# Altium PCB 2m_DBoard_TX.PcbDoc (part 3 of 5)
Units mm, origin at the board's own origin, x right, y up, seen from the top; angles counter-clockwise.
Board outline 63.5 x 139.7 mm, 12 copper layers (Top RF, AGND, Inner RF, AGND 2, AVDD, AVDD 2, DVDD 2, DVDD, GND 2, Signal, GND, Bottom Layer), stack 2.626 mm thick; 263 components, 212 nets, 1246 pads, 1554 vias.
Unrouted connection lines stored in the file: 414.
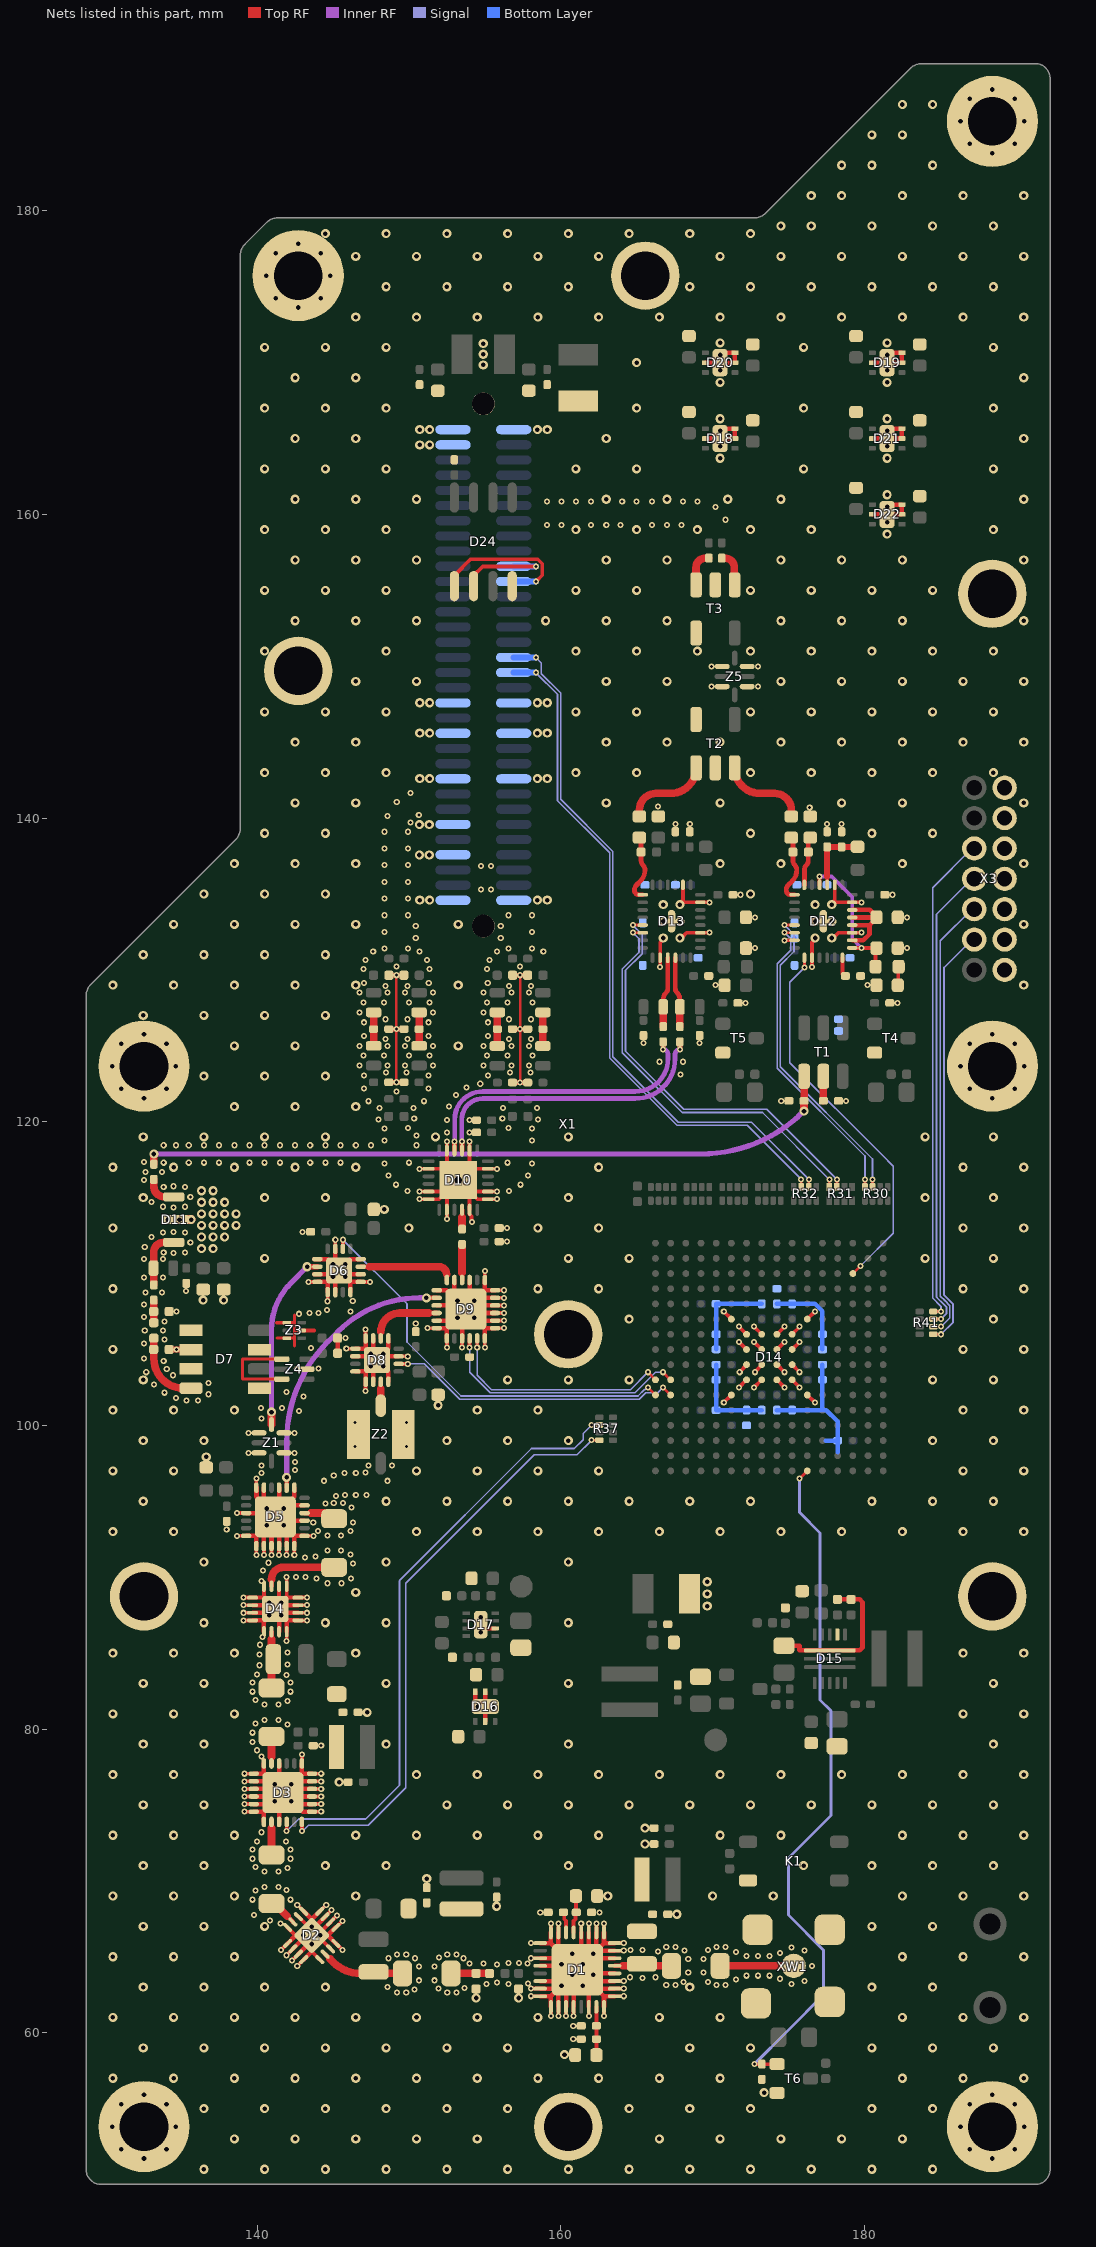
[diagram p13: the nets of this part, all layers, seen from the top]

## Via types
v1: diameter 0.6, hole 0.3, Top RF to Bottom Layer, tented both sides, 809 vias
v2: diameter 0.4, hole 0.2, Top RF to Bottom Layer, tented both sides, 741 vias
v3: diameter 0.5, hole 0.2, Top RF to Bottom Layer, tented both sides, 4 vias

## Nets (pads, with @x,y where several pads share a name; then routed paths per layer and width w, separated by ;. In a path a pad name is that pad's centre, name@x,y a point inside that pad or via, vN(x,y) a via of type N, cw(c..) or ccw(c..) an arc to the next point about the centre after c; other vN are vias at no path point) (continued)
GND: C2.2 C3.1 C4.1 C5.1 C6.2 C7.1 C8.1 C9.1 C10.2 C12.1 C13.1 C16.1 C17.1 C18.1 C20.2 C21.2 C22.2 C23.2 C25.1 C26.1 C27.1 C28.1 C30.2 C31.1 C32.2 C33.1 C36.2 C37.1 C38.2 C39.1 C46.1 C47.1 C48.2 C50.1 C51.2 C52.2 C53.1 C54.1 C55.2 C56.1 C57.1 C58.2 C59.1 C60.1 C61.1 C62.1 C63.1 C64.1 C65.1 C68.1 C69.2 C70.1 C71.1 C72.1 C73.1 C74.2 C75.1 C76.1 C77.1 C78.1 C79.1 C80.1 C81.1 C82.2 C83.2 C84.2 C85.2 C86.2 C87.1 C88.1 C89.1 C90.1 C91.1 C92.1 C93.1 C94.1 C95.1 C96.1 C97.1 C98.1 C99.1 C100.1 C101.1 C102.1 C103.1 C104.1 C105.1 C106.1 C107.1 C109.2 C110.2 C111.1 C113.1 C114.1 C115.1 C118.1 C119.1 C120.2 C121.2 C122.2 C123.2 C124.2 C125.2 C126.2 C127.2 C129.2 C130.2 C131.2 C132.2 C133.2 C134.2 C135.2 C136.2 C137.2 C138.1 C139.1 C191.1 D1.0 D1.1 D1.3 D1.4 D1.6 D1.7 D1.8 D1.9 D1.10 D1.11 D1.12 D1.14 D1.16 D1.17 D1.18 D1.19 D1.20 D1.22 D1.23 D1.24 D1.25 D1.26 D1.27 D1.28 D1.31 D1.32 D2.1 D2.2 D2.4 D2.5 D2.6 D2.7 D2.8 D2.9 D2.11 D2.12 D2.13 D2.14 D2.15 D2.16 D2.17 D3.1 D3.4 D3.6 D3.7 D3.8 D3.9 D3.10 D3.11 D3.12 D3.13 D3.15 D3.19 D3.20 D3.21 D3.22 D3.23 D3.24 D3.25 D4.1 D4.2 D4.4 D4.5 D4.6 D4.7 D4.8 D4.9 D4.11 D4.12 D4.13 D4.14 D4.15 D4.16 D4.17 D5.1 D5.3 D5.5 D5.6 D5.9 D5.12 D5.13 D5.14 D5.15 D5.16 D5.17 D5.18 D5.19 D5.21 D5.23 D5.25 D6.1 D6.3 D6.4 D6.5 D6.6 D6.8 D6.9 D6.10 D6.12 D6.15 D6.17 D7.1 D8.1 D8.3 D8.4 D8.5 D8.6 D8.8 D8.9 D8.10 D8.12 D8.15 D8.17 D9.1 D9.3 D9.5 D9.6 D9.7 D9.9 D9.12 D9.13 D9.14 D9.15 D9.16 D9.17 D9.18 D9.19 D9.21 D9.23 D9.25 D10.2 D10.5 D10.8 D10.11 D10.12 D10.14 D10.17 D10.19 D10.20 D10.23 D10.25 D11.2 D12.10 D12.17 D12.21 D12.24 D12.29 D13.10 D13.17 D13.21 D13.24 D13.29 D14.F6 D14.F11 D14.G7 D14.G8 D14.G9 D14.G10 D14.H7 D14.H8 D14.H9 D14.H10 D14.J7 D14.J8 D14.J9 D14.J10 D14.K7 D14.K8 D14.K9 D14.K10 D14.L6 D14.L11 D15.2 D15.6 D16.0 D16.2 D16.3 D16.5 D17.0 D17.2 D18.0 D18.2 D18.3 D18.5 D19.0 D19.2 D19.3 D19.5 D20.0 D20.2 D20.3 D20.5 D21.0 D21.2 D21.3 D21.5 D22.0 D22.2 D22.3 D22.5 D24.4 K1.2 M1.0 M2.0 M3.0 M4.0 M5.0 M6.0 M7.0 R1.2 R3.2 R7.2 R9.2 R11.2 R13.1 R14.1 R16.2 R17.1 R19.2 R20.1 R21.2 R23.2 R42.1 R43.1 R47.1 R49.1 R51.2 T2.2 T2.4 T3.2 T3.6 T4.2 T5.2 T6.2 X1.0 X1.1 X1.2 X1.3 X1.37 X1.38 X1.41 X1.42 X1.47 X1.48 X1.53 X1.57 X1.63 X1.64 X3.1 X3.3 X3.5 X3.7 X3.9 X3.11 X3.13 XW1.G Z1.GND Z2.GND Z3.1 Z3.3 Z3.5 Z4.1 Z4.3 Z4.5 Z5.GND | length 395.1
  Top RF w0.15: D5.3@141.426,95.924 D5.3@141.45,95.9 ; v2(149.175,122.6) v2(149.175,126.1) v2(149.175,129.65) ; v2(157.325,122.575) 157.325,122.581 v2(157.325,126.1) v2(157.325,129.65)
  Top RF w0.2: 141.265,106.76 Z3.1@141.965,106.76 142.455,106.76 ; 141.3,105.74 Z3.3@141.965,105.74 142.455,105.74 ; Z4.3@141.625,103.04 139.035,103.04 139.035,104.36 Z4.1@141.625,104.36 ; 142.455,105.235 142.455,105.74 ; 142.455,106.892 142.455,106.76 ; 142.455,107.26 142.455,106.76 ; D9.21@154,109.575 D9.21@154,109.725 ; 142.455,105.74 142.455,106.76
  Top RF w0.25: v2(138.675,92.725) D5.12@139.275,92.725 ; v2(138.675,94.225) D5.9@139.275,94.225 ; v2(139.1,87.155) D4.8@139.7,87.155 ; v2(139.1,87.655) D4.7@139.7,87.655 ; v2(139.1,88.155) D4.6@139.7,88.155 ; v2(139.1,88.655) D4.5@139.7,88.655 140.337,88.655 140.687,88.305 v1(140.8,88.305) 140.8,88.418 140.45,88.768 D4.4@140.45,89.405 ; v2(139.175,74.555) D3.12@139.775,74.555 ; v2(139.175,75.055) D3.11@139.775,75.055 ; v2(139.175,75.555) D3.10@139.775,75.555 ; v2(139.175,76.055) D3.9@139.775,76.055 ; v2(139.175,76.555) D3.8@139.775,76.555 ; v2(139.175,77.055) D3.7@139.775,77.055 ; 139.881,92.725 141.131,93.975 D5.25@141.2,93.975 ; v2(139.95,91.45) D5.13@139.95,92.05 ; 139.95,92.656 140.45,93.156 140.95,93.656 D5.25@141.2,93.906 ; D5.6@139.95,95.9 v2(139.95,96.5) ; 140.337,87.155 140.687,87.505 v1(140.8,87.505) 140.8,87.392 140.45,87.042 ; 140.381,74.555 140.881,75.055 141.081,75.255 v1(141.15,75.255) 141.15,75.187 140.45,74.487 ; 140.381,77.055 140.881,76.555 141.081,76.355 v1(141.15,76.355) 141.15,76.424 140.45,77.124 ; v2(140.45,91.45) D5.14@140.45,92.05 ; D5.25@140.45,94.794 D5.25@141.2,94.044 ; v2(140.95,91.45) D5.15@140.95,92.05 ; D4.2@141.45,89.405 D4.17@141.45,88.268 ; v2(141.45,91.45) D5.16@141.45,92.05 ; D5.25@141.45,94.294 D5.25@141.2,94.044 ; v2(141.585,65.451) D2.5@142.009,65.875 ; v2(141.938,65.097) D2.6@142.363,65.521 ; v2(141.95,85.805) D4.12@141.95,86.405 ; 141.95,87.042 141.45,87.542 141.2,87.792 D4.17@141.2,87.905 ; v2(141.95,90.005) D4.1@141.95,89.405 141.95,88.768 D4.17@141.45,88.268 ; v2(141.95,91.45) D5.17@141.95,92.05 ; D2.4@142.009,66.936 142.539,66.405 143.246,66.405 D2.17@143.6,66.405 ; 142.063,87.155 D4.17@141.563,87.655 ; v2(142.292,64.744) D2.7@142.716,65.168 ; v2(142.45,91.45) D5.18@142.45,92.05 ; 142.45,92.656 141.95,93.156 141.45,93.656 D5.25@141.2,93.906 ; 142.495,106.25 Z3.5@142.935,106.25 143.77,106.25 ; 142.519,92.725 141.519,93.725 141.269,93.975 D5.25@141.2,93.975 ; v2(142.645,64.39) D2.8@143.07,64.814 ; v2(142.645,68.421) D2.1@143.07,67.996 ; D4.13@142.7,87.155 v2(143.3,87.155) ; D4.14@142.7,87.655 v2(143.3,87.655) ; D4.15@142.7,88.155 v2(143.3,88.155) ; D2.2@142.716,67.643 D2.17@143.6,66.759 ; 142.95,77.124 141.7,75.874 D3.25@141.7,75.805 D3.25@141.769,75.805 ; D3.1@142.95,77.73 v2(142.95,78.33) ; 143.019,74.555 142.519,75.055 142.019,75.555 D3.25@141.769,75.805 ; 143.019,77.055 142.519,76.555 142.019,76.055 D3.25@141.769,75.805 ; D5.19@143.125,92.725 v2(143.725,92.725) ; v2(143.3,88.655) D4.16@142.7,88.655 142.063,88.655 D4.17@141.563,88.155 ; v2(143.375,109.45) D6.4@143.975,109.45 ; D2.17@143.6,67.466 D2.17@143.6,66.759 ; D3.19@143.625,74.555 v2@144.225,74.555 ; D3.20@143.625,75.055 v2@144.225,75.055 ; D3.21@143.625,75.555 v2@144.225,75.555 ; D3.22@143.625,76.055 v2@144.225,76.055 ; D3.23@143.625,76.555 v2@144.225,76.555 ; D3.24@143.625,77.055 v2@144.225,77.055 ; D2.9@144.13,64.814 143.6,65.345 143.6,66.052 D2.17@143.6,66.405 ; D2.16@144.13,67.996 v2(144.555,68.421) ; D2.15@144.484,67.643 v2(144.908,68.067) ; v2(144.65,108.175) D6.5@144.65,108.775 ; D6.17@144.65,109.45 v1(145,109.8) 145.15,109.95 D6.17@145.4,110.2 ; D6.17@144.65,110.95 145.15,110.45 D6.17@145.4,110.2 ; D2.17@144.661,66.405 D2.17@143.954,66.405 ; D2.11@144.837,65.521 D2.17@143.954,66.405 ; D2.14@144.837,67.289 v2(145.262,67.713) ; D6.15@145.15,111.625 v2(145.15,112.225) ; D2.12@145.191,65.875 v2(145.615,65.451) ; D2.13@145.191,66.936 v2(145.615,67.36) ; v2(145.875,105.05) D8.5@146.475,105.05 ; D6.17@146.15,109.45 v1(145.8,109.8) 145.65,109.95 D6.17@145.4,110.2 ; D6.17@146.15,110.95 v1(145.8,110.6) D6.17@145.4,110.2 ; D6.9@146.825,109.45 v2(147.425,109.45) ; v2(147.15,102.275) D8.9@147.15,102.875 ; D8.17@147.15,103.55 v1(147.5,103.9) 147.65,104.05 D8.17@147.9,104.3 ; D8.17@147.15,105.05 v1(147.5,104.7) 147.65,104.55 D8.17@147.9,104.3 ; D8.4@147.15,105.725 v2(147.15,106.325) ; D8.17@148.65,103.55 v1(148.3,103.9) D8.17@147.9,104.3 ; D8.17@148.65,105.05 v1(148.3,104.7) 148.15,104.55 D8.17@147.9,104.3 ; D8.15@149.325,104.55 v2(149.925,104.55) ; v2(150.7,114.9) D10.12@151.3,114.9 152,114.9 D10.25@152.5,115.4 ; v2(150.7,115.4) D10.11@151.3,115.4 D10.25@152.5,115.4 ; v2(150.7,116.9) D10.8@151.3,116.9 D10.25@152.5,116.9 ; v2(151.225,106.4) D9.6@151.825,106.4 ; v2(152.5,105.125) D9.7@152.5,105.725 ; D9.25@152.5,106.4 153,106.9 v1(153.2,107.1) 153.5,107.4 D9.25@153.75,107.65 ; D9.25@152.5,108.9 153,108.4 v1(153.2,108.2) 153.5,107.9 D9.25@153.75,107.65 ; v2(152.5,113.6) D10.14@152.5,114.2 D10.25@152.5,115.4 ; v2(152.5,118.7) D10.5@152.5,118.1 D10.25@152.5,116.9 ; v2(153.5,105.125) D9.9@153.5,105.725 ; D10.17@154,113.9 154.125,113.775 154.125,113.425 v2(154.15,113.4) ; D10.17@154,114.2 D10.25@154,115.4 ; v2(154,118.7) D10.2@154,118.1 D10.25@154,116.9 ; v1(154.725,86.375) 154.975,86.625 D17.2@155.675,86.625 ; v2(155,105.125) D9.12@155,105.725 ; D9.25@155,106.4 154.5,106.9 v1(154.3,107.1) 154,107.4 D9.25@153.75,107.65 ; D9.25@155,108.9 154.5,108.4 v1(154.3,108.2) 154,107.9 D9.25@153.75,107.65 ; D9.19@155,109.575 v2(155,110.175) ; D9.13@155.675,106.4 v2(156.275,106.4) ; D9.14@155.675,106.9 v2(156.275,106.9) ; D9.15@155.675,107.4 v2(156.275,107.4) ; D9.16@155.675,107.9 v2(156.275,107.9) ; D9.17@155.675,108.4 v2(156.275,108.4) ; D9.18@155.675,108.9 v2(156.275,108.9) ; v2(155.8,114.9) D10.19@155.2,114.9 154.5,114.9 D10.25@154,115.4 ; v2(155.8,115.4) D10.20@155.2,115.4 D10.25@154,115.4 ; v2(155.8,116.9) D10.23@155.2,116.9 D10.25@154,116.9 ; v2(158.05,62.4) D1.8@158.65,62.4 ; v2(158.05,62.9) D1.7@158.65,62.9 ; v2(158.05,64.9) D1.3@158.65,64.9 ; v2(159.35,61.1) D1.9@159.35,61.7 ; D1.32@159.35,66.6 v2(159.35,67.2) ; v2(159.85,61.1) D1.10@159.85,61.7 ; D1.0@159.85,62.9 v1(160.05,63.1) ; D1.0@159.85,65.4 160.35,64.9 160.85,64.4 D1.0@161.1,64.15 ; D1.31@159.85,66.6 v2(159.85,67.2) ; D1.0@160.024,63.126 v1(160.05,63.1) ; D1.0@160.076,63.074 v1(160.05,63.1) ; v2(160.35,61.1) D1.11@160.35,61.7 ; v2(160.85,61.1) D1.12@160.85,61.7 ; D1.28@161.35,66.6 v2(161.35,67.2) ; v2(161.85,61.1) D1.14@161.85,61.7 ; D1.27@161.85,66.6 v2(161.85,67.2) ; D1.0@162.35,62.9 161.85,63.4 161.35,63.9 D1.0@161.1,64.15 ; D1.0@162.35,65.4 161.85,64.9 v1(161.45,64.5) 161.35,64.4 D1.0@161.1,64.15 ; D1.26@162.35,66.6 v2(162.35,67.2) ; v2(162.85,61.1) D1.16@162.85,61.7 ; D1.25@162.85,66.6 v2(162.85,67.2) ; D1.17@163.55,62.4 v2(164.15,62.4) ; D1.18@163.55,62.9 v2(164.15,62.9) ; D1.19@163.55,63.4 v2(164.15,63.4) ; D1.23@163.55,65.4 v2(164.15,65.4) ; D1.24@163.55,65.9 v2(164.15,65.9) ; v2(166.55,130.2) D13.10@166.55,130.8 166.55,131.805 166.75,132.005 v1(166.75,132.1) ; v1(167.85,132.1) 167.945,132.1 168.295,132.45 D13.17@169.2,132.45 v2(169.8,132.45) ; D13.24@168.05,135.6 168.05,134.595 167.85,134.395 v1(167.85,134.3) 167.945,134.3 168.095,134.45 D13.21@169.2,134.45 v2(169.8,134.45) ; v2(170.74,101.5) D14.F6@171.24,102 ; v2(170.74,107.5) D14.F11@171.24,107 ; v2(171.74,102.5) D14.G7@172.24,103 ; v2(171.74,105.5) D14.G9@172.24,105 ; v2(171.74,106.5) D14.G10@172.24,106 ; v2@171.79,103.525 D14.G8@172.24,103.975 ; v2(172.74,102.5) D14.H7@173.24,103 ; v2(172.74,105.5) D14.H9@173.24,105 ; v2(172.74,106.5) D14.H10@173.24,106 ; v2@172.79,103.525 D14.H8@173.24,103.975 ; XW1.G@172.865,61.925 XW1.G@172.915,61.975 ; D14.J7@174.24,103 v2(174.74,102.5) ; D14.J8@174.24,104 v2(174.74,103.5) ; D14.J9@174.24,105 v2(174.74,105.5) ; D14.J10@174.24,106 v2(174.74,106.5) ; D14.K7@175.24,103 v2(175.74,102.5) ; D14.K8@175.24,104 v2(175.74,103.5) ; D14.K9@175.24,105 v2(175.74,105.5) ; D14.K10@175.24,106 v2(175.74,106.5) ; D14.L6@176.24,102 v2(176.74,101.5) ; D14.L11@176.24,107 v2(176.74,107.5) ; v2(176.55,130.2) D12.10@176.55,130.8 176.55,131.805 176.75,132.005 v1(176.75,132.1) ; XW1.G@177.665,61.975 XW1.G@177.715,62.025 ; v1(177.85,132.1) 177.945,132.1 178.295,132.45 D12.17@179.2,132.45 v2(179.8,132.45) ; D12.24@178.05,135.6 178.05,134.595 177.85,134.395 v1(177.85,134.3) 177.945,134.3 178.095,134.45 D12.21@179.2,134.45 v2(179.8,134.45) ; D4.17@141.2,87.905 141.2,88.018 D4.17@141.45,88.268 ; D4.17@141.2,87.905 141.45,87.655 D4.17@141.563,87.655 ; D4.17@141.2,87.905 D4.17@141.313,87.905 ; D4.17@141.2,87.905 D4.17@141.45,88.155 ; D5.25@141.2,93.906 D5.25@141.2,93.975 ; D5.25@141.2,93.975 D5.25@141.2,94.044 ; D4.17@141.313,87.905 D4.17@141.563,87.655 ; D4.17@141.313,87.905 D4.17@141.563,88.155 ; D4.17@141.45,88.155 D4.17@141.45,88.268 ; D4.17@141.45,88.155 D4.17@141.563,88.155 ; D2.17@143.6,66.405 D2.17@143.6,66.759 ; D2.17@143.6,66.405 D2.17@143.954,66.405 ; D10.25@152.5,115.4 D10.25@153.25,116.15 ; D10.25@152.5,116.9 D10.25@153.25,116.15 ; D10.25@153.25,116.15 D10.25@154,115.4 ; D10.25@153.25,116.15 D10.25@154,116.9 ; v1(160.05,63.1) 160.35,63.4 v1(160.75,63.8) 160.85,63.9 D1.0@161.1,64.15
  Top RF w0.3: D5.12@139.275,92.725 139.881,92.725 ; D5.9@139.275,94.225 D5.25@140.95,94.225 ; D4.8@139.7,87.155 140.337,87.155 ; D4.7@139.7,87.655 140.649,87.656 v1(140.8,87.505) ; D4.6@139.7,88.155 140.651,88.156 v1(140.8,88.305) ; D3.12@139.775,74.555 140.381,74.555 ; D3.11@139.775,75.055 140.881,75.055 140.95,75.055 v1(141.15,75.255) ; D3.10@139.775,75.555 140.85,75.555 v1(141.15,75.255) ; D3.9@139.775,76.055 140.85,76.055 v1(141.15,76.355) ; D3.8@139.775,76.555 140.881,76.555 140.95,76.555 v1(141.15,76.355) ; D3.7@139.775,77.055 140.381,77.055 ; D5.13@139.95,92.05 139.95,92.656 ; D3.13@140.45,73.88 140.45,74.487 ; 140.45,77.124 D3.6@140.45,77.73 ; D4.9@140.45,86.405 140.45,87.042 ; D5.14@140.45,92.05 D5.25@140.45,93.101 ; D5.5@140.45,95.9 140.45,94.794 140.45,94.725 v1(140.65,94.525) D5.25@140.95,94.225 ; D5.25@140.916,93.975 D5.25@141.131,93.975 ; D5.15@140.95,92.05 D5.25@140.95,93.601 ; D5.25@141.2,93.906 141.2,93.851 D5.25@140.95,93.601 ; D3.15@141.45,73.88 141.45,74.955 v1(141.15,75.255) ; D3.4@141.45,77.73 141.45,76.655 v1(141.15,76.355) ; D4.11@141.45,86.405 141.45,87.542 D4.17@141.45,87.655 ; D5.16@141.45,92.05 141.45,93.656 D5.25@141.45,93.725 ; D5.3@141.45,95.9 D5.25@141.45,94.294 ; D4.17@141.563,87.655 D4.14@142.7,87.655 ; D4.17@141.563,88.155 D4.15@142.7,88.155 ; D4.12@141.95,86.405 141.95,87.042 ; D5.17@141.95,92.05 141.95,93.156 141.95,93.225 v1(141.75,93.425) D5.25@141.45,93.725 ; D2.5@142.009,65.875 D2.17@142.539,66.405 ; 142.063,87.155 D4.13@142.7,87.155 ; D2.6@142.363,65.521 D2.17@143.246,66.405 ; D5.18@142.45,92.05 142.45,92.656 ; D5.1@142.45,95.9 142.45,95.294 D5.25@141.45,94.294 ; 142.519,92.725 D5.19@143.125,92.725 ; D2.7@142.716,65.168 D2.17@143.6,66.052 ; 142.95,77.124 D3.1@142.95,77.73 ; 143.019,74.555 D3.19@143.625,74.555 ; 143.019,77.055 D3.24@143.625,77.055 ; D2.8@143.07,64.814 D2.17@143.6,65.345 ; D2.1@143.07,67.996 143.6,67.466 D2.16@144.13,67.996 ; D5.21@143.125,93.725 141.519,93.725 D5.25@141.45,93.725 ; D5.23@143.125,94.725 141.95,94.725 v1(141.75,94.525) D5.25@141.45,94.225 ; D2.17@143.6,66.759 D2.15@144.484,67.643 ; D3.20@143.625,75.055 142.519,75.055 142.45,75.055 v1(142.25,75.255) D3.25@141.95,75.555 ; D3.21@143.625,75.555 142.019,75.555 D3.25@141.95,75.555 ; D3.22@143.625,76.055 142.019,76.055 D3.25@141.95,76.055 ; D3.23@143.625,76.555 142.519,76.555 142.45,76.555 v1(142.25,76.355) D3.25@141.95,76.055 ; D6.3@143.775,109.95 D6.3@143.975,109.95 145.15,109.95 D6.6@145.15,108.775 ; D6.1@143.775,110.95 D6.1@143.975,110.95 D6.17@144.65,110.95 ; D2.17@143.954,66.405 D2.14@144.837,67.289 ; D6.4@143.975,109.45 144.65,109.45 D6.5@144.65,108.775 ; D6.17@145.15,110.45 D6.15@145.15,111.625 ; D2.12@145.191,65.875 144.661,66.405 D2.13@145.191,66.936 ; R13.1@145.3,105.75 145.3,104.758 R14.1@145.354,104.704 ; D6.17@145.65,109.95 D6.10@146.825,109.95 ; D6.8@146.15,108.775 146.15,109.45 D6.9@146.825,109.45 ; D6.17@146.15,110.95 D6.12@146.825,110.95 ; D8.6@146.275,104.55 D8.6@146.475,104.55 147.35,104.55 v1(147.5,104.7) ; D8.8@146.475,103.55 147.15,103.55 D8.9@147.15,102.875 ; D8.5@146.475,105.05 147.15,105.05 D8.4@147.15,105.725 ; D8.17@147.5,104.55 147.65,104.55 D8.3@147.65,105.725 ; D8.10@147.65,102.875 D8.17@147.65,104.05 ; D8.17@148.15,104.55 D8.15@149.325,104.55 ; D8.12@148.65,102.875 D8.17@148.65,103.55 ; D8.17@148.65,105.05 D8.1@148.65,105.725 ; C30.2@148.675,122.6 v2(149.175,122.6) C31.1@149.675,122.6 ; C32.2@148.675,126.1 v2(149.175,126.1) C33.1@149.675,126.1 ; R16.2@148.683,129.65 v2(149.175,129.65) R17.1@149.667,129.65 ; D9.6@151.825,106.4 152.5,106.4 D9.7@152.5,105.725 ; D9.5@151.825,106.9 D9.25@153,106.9 ; D9.3@151.825,107.9 D9.25@153.5,107.9 ; D9.1@151.825,108.9 D9.25@152.5,108.9 ; D9.25@153,108.4 D9.23@153,109.575 ; D9.9@153.5,105.725 D9.25@153.5,107.4 ; D9.25@154,107.4 D9.15@155.675,107.4 ; D9.21@154,109.575 154,107.9 D9.16@155.675,107.9 ; D16.3@154.375,82.45 154.375,81.817 154.717,81.475 D16.0@155.025,81.475 ; D9.25@154.5,106.9 D9.14@155.675,106.9 ; D9.25@154.5,108.4 D9.17@155.675,108.4 ; D9.12@155,105.725 155,106.4 D9.13@155.675,106.4 ; D9.19@155,109.575 155,108.9 D9.18@155.675,108.9 ; D16.5@155.025,80.5 D16.0@155.025,81.475 ; D16.2@155.025,82.45 D16.0@155.025,81.475 ; C37.1@156.825,122.581 157.325,122.581 C36.2@157.825,122.581 ; C39.1@156.825,126.1 v2(157.325,126.1) C38.2@157.825,126.1 ; R20.1@156.833,129.65 R19.2@157.817,129.65 ; D1.8@158.65,62.4 159.35,62.4 ; D1.7@158.65,62.9 D1.0@159.85,62.9 ; D1.6@158.65,63.4 160.35,63.4 D1.11@160.35,61.7 ; D1.4@158.65,64.4 D1.0@160.85,64.4 ; D1.3@158.65,64.9 D1.0@160.35,64.9 ; D1.1@158.65,65.9 159.35,65.9 ; D1.9@159.35,61.7 159.35,62.4 ; D1.32@159.35,66.6 159.35,65.9 ; D1.10@159.85,61.7 D1.0@159.85,62.9 ; D1.31@159.85,66.6 159.85,65.4 159.35,65.9 ; D1.12@160.85,61.7 D1.0@160.85,63.9 ; D1.0@161.35,63.9 D1.20@163.55,63.9 ; D1.0@161.35,64.4 D1.28@161.35,66.6 ; v1(161.45,63.1) D1.0@161.548,63.1 ; D1.14@161.85,61.7 161.85,63.4 D1.19@163.55,63.4 ; D1.27@161.85,66.6 161.85,64.9 D1.22@163.55,64.9 ; D1.26@162.35,66.6 D1.0@162.35,65.4 ; D1.16@162.85,61.7 162.85,62.4 ; D1.25@162.85,66.6 162.85,65.9 ; D1.17@163.55,62.4 162.85,62.4 ; D1.18@163.55,62.9 162.35,62.9 162.85,62.4 ; D1.23@163.55,65.4 D1.0@162.35,65.4 ; D1.24@163.55,65.9 162.85,65.9 ; D18.5@169.525,165 D18.0@170.5,165 D18.2@171.475,165 D18.3@171.475,165.65 170.65,165.65 v1(170.5,165.5) ; D20.5@169.525,170 D20.0@170.5,170 D20.2@171.475,170 D20.3@171.475,170.65 170.65,170.65 v1(170.5,170.5) ; C111.1@174.702,85.491 ccw(c174.736,85.525) 174.736,85.477 175.727,85.477 175.727,85.177 179.701,85.177 179.877,85.353 179.877,88.359 179.701,88.535 R43.1@178.227,88.535 ; D22.5@180.525,160 D22.0@181.5,160 D22.2@182.475,160 D22.3@182.475,160.65 181.65,160.65 v1(181.5,160.5) ; D21.5@180.525,165 D21.0@181.5,165 D21.2@182.475,165 D21.3@182.475,165.65 181.65,165.65 v1(181.5,165.5) ; D19.5@180.525,170 D19.0@181.5,170 D19.2@182.475,170 D19.3@182.475,170.65 181.65,170.65 v1(181.5,170.5) ; D5.25@140.45,93.101 D5.25@140.95,93.601 ; D5.25@140.45,93.101 140.45,93.156 140.45,93.225 v1(140.65,93.425) D5.25@140.95,93.725 ; D5.25@140.95,93.601 140.95,93.656 D5.25@140.95,93.725 ; D5.25@140.95,93.725 D5.25@141.2,93.975 ; D5.25@140.95,94.225 D5.25@141.2,93.975 ; D5.25@141.2,93.975 D5.25@141.45,94.225 ; D5.25@141.2,93.975 D5.25@141.45,93.725 ; D5.25@141.45,94.225 D5.25@141.45,94.294 ; D3.25@141.95,75.555 D3.25@141.7,75.805 D3.25@141.95,76.055 ; 159.35,62.4 D1.0@159.85,62.9 ; D1.0@162.35,65.4 162.85,65.9
  Top RF w0.32: D5.6@139.95,95.9 139.95,95.294 D5.25@140.45,94.794
  Top RF w0.4: R23.2@134.208,105 v2(134.7,105) 135.608,105 cw(c135.608,104.949) D7.1@135.644,104.985
  Top RF w0.6: v1(134.126,113.55) v1(134.888,113.55) v1(135.65,113.55)
  Bottom Layer w0.3: C96.1@170.24,104 C95.1@170.24,103 C86.2@170.24,101 C97.1@172.24,101 C98.1@173.24,101 ; C100.1@170.24,105 C99.1@170.24,106 C85.2@170.24,108 C101.1@173.24,108 ; C87.1@174.24,101 C88.1@175.24,101 177.112,101 ; C91.1@174.24,108 C92.1@175.24,108 176.745,108 177.24,107.505 C93.1@177.24,106 C94.1@177.24,105 ; C90.1@177.24,104 C89.1@177.24,103 177.24,101.128 177.112,101 ; 177.467,99 C83.2@178.24,99 ; 178.24,98.225 C83.2@178.24,99 ; 177.112,101 177.497,101 178.24,100.258 C83.2@178.24,99
  other v1: 136.5,51 140.5,51 144.5,51 148.5,51 152.5,51 156.5,51 160.5,51 164.5,51 168.5,51 172.5,51 176.5,51 180.5,51 184.5,51 132.55,51.71 188.43,51.71 131.065,52.325 134.035,52.325 186.945,52.325 189.915,52.325 138.5,53 142.5,53 146.5,53 150.5,53 154.5,53 166.5,53 170.5,53 174.5,53 178.5,53 182.5,53 130.45,53.81 134.65,53.81 186.33,53.81 190.53,53.81 136.5,55 140.5,55 144.5,55 148.5,55 152.5,55 156.5,55 164.5,55 168.5,55 172.5,55 180.5,55 184.5,55 131.065,55.295 134.035,55.295 186.945,55.295 189.915,55.295 132.55,55.91 188.43,55.91 173.4,56.05 130.5,57 134.5,57 138.5,57 142.5,57 146.5,57 150.5,57 154.5,57 158.5,57 162.5,57 166.5,57 170.5,57 182.5,57 186.5,57 190.5,57 160.25,58.55 132.5,59 136.5,59 140.5,59 144.5,59 148.5,59 152.5,59 156.5,59 168.5,59 172.5,59 180.5,59 184.5,59 188.5,59 130.5,61 134.5,61 138.5,61 142.5,61 146.5,61 150.5,61 154.5,61 158.5,61 166.5,61 170.5,61 182.5,61 186.5,61 190.5,61 154.425,62.284 157.225,62.284 132.5,63 136.5,63 140.5,63 144.5,63 168.5,63 180.5,63 184.5,63 162.15,63.8 160.05,64.5 130.5,65 134.5,65 138.5,65 182.5,65 186.5,65 190.5,65 160.75,65.2 162.15,65.2 143.6,65.84 143.034,66.405 144.166,66.405 143.6,66.971 132.5,67 136.5,67 140.5,67 180.5,67 184.5,67 167.65,67.8 155.775,68.325 130.5,69 134.5,69 138.5,69 146.5,69 163.1,69 170,69 174,69 182.5,69 186.5,69 190.5,69 151.175,70.15 132.5,71 136.5,71 144.5,71 148.5,71 160.5,71 176,71 180.5,71 184.5,71 188.5,71 165.55,72.425 130.5,73 134.5,73 138.5,73 146.5,73 150.5,73 154.5,73 158.5,73 162.5,73 170.5,73 174.5,73 182.5,73 186.5,73 190.5,73 165.55,73.475 132.5,75 136.5,75 152.5,75 156.5,75 160.5,75 164.5,75 168.5,75 172.5,75 176.5,75 180.5,75 184.5,75 188.5,75 145.4,76.5 130.5,77 134.5,77 150.5,77 154.5,77 158.5,77 162.5,77 166.5,77 170.5,77 174.5,77 178.5,77 182.5,77 186.5,77 190.5,77 132.5,79 136.5,79 148.5,79 160.5,79 188.5,79 130.5,81 134.5,81 138.5,81 186.5,81 190.5,81 147.25,81.1 154.525,81.475 155.525,81.475 132.5,83 136.5,83 148.5,83 160.5,83 188.5,83 130.5,85 134.5,85 138.5,85 146.5,85 186.5,85 190.5,85 136.5,87 144.5,87 148.5,87 160.5,87 154.725,87.375 141.6,87.505 169.65,88.1 141.6,88.305 169.65,88.9 146.5,89 169.65,89.7 136.5,91 148.5,91 160.5,91 130.5,93 134.5,93 150.5,93 154.5,93 158.5,93 162.5,93 166.5,93 170.5,93 174.5,93 178.5,93 182.5,93 186.5,93 190.5,93 132.5,95 148.5,95 152.5,95 156.5,95 160.5,95 164.5,95 168.5,95 172.5,95 180.5,95 184.5,95 188.5,95 130.5,97 134.5,97 150.5,97 154.5,97 158.5,97 162.5,97 186.5,97 190.5,97 136.65,97.925 132.5,99 136.5,99 152.5,99 156.5,99 160.5,99 184.5,99 188.5,99 130.5,101 134.5,101 138.5,101 154.5,101 158.5,101 186.5,101 190.5,101 151.925,101.325 132.5,103 156.5,103 160.5,103 164.5,103 184.5,103 188.5,103 130.5,105 186.5,105 190.5,105 164.5,107 188.5,107 136.45,108.25 137.8,108.25 130.5,109 158.5,109 162.5,109 186.5,109 190.5,109 145,110.6 140.5,111 160.5,111 164.5,111 184,111 188.5,111 136.337,111.645 137.099,111.645 136.337,112.407 137.099,112.407 137.861,112.407 130.5,113 150,113 158.5,113 162.5,113 186.5,113 190.5,113 136.338,113.169 137.1,113.169 137.862,113.169 138.623,113.169 136.338,113.931 137.1,113.931 137.862,113.931 138.623,113.931 148.375,114.225 136.337,114.693 137.099,114.693 137.861,114.693 132.5,115 140.5,115 144.5,115 160.5,115 184,115 188.5,115 136.337,115.455 137.099,115.455 130.5,117 134.5,117 138.5,117 142.5,117 146.5,117 162.5,117 186.5,117 190.5,117 132.5,119 136.5,119 140.5,119 144.5,119 151.75,119 160.5,119 184,119 188.5,119 138.5,121 142.5,121 146.5,121 132.55,121.56 188.43,121.56 131.065,122.175 134.035,122.175 186.945,122.175 189.915,122.175 136.5,123 140.5,123 144.5,123 130.45,123.66 134.65,123.66 186.33,123.66 190.53,123.66 138.5,125 142.5,125 153.25,125 131.065,125.145 134.035,125.145 186.945,125.145 189.915,125.145 132.55,125.76 188.43,125.76 132.5,127 136.5,127 140.5,127 144.5,127 130.5,129 134.5,129 138.5,129 142.5,129 146.5,129 153.25,129 190.5,129 132.5,131 136.5,131 140.5,131 144.5,131 134.5,133 138.5,133 142.5,133 146.5,133 153.25,133 190.5,133 166.75,133.2 167.85,133.2 176.75,133.2 177.85,133.2 166.75,134.3 176.75,134.3 150.714,134.6 151.364,134.6 158.464,134.6 159.114,134.6 136.5,135 140.5,135 144.5,135 172.5,135 138.5,137 142.5,137 146.5,137 170.5,137 174.5,137 182.5,137 190.5,137 150.69,137.568 151.34,137.568 140.5,139 144.5,139 172.5,139 180.5,139 184.5,139 150.69,139.568 151.34,139.568 142.5,141 146.5,141 163,141 170.5,141 178.5,141 182.5,141 190.5,141 150.714,142.6 151.364,142.6 158.464,142.6 159.114,142.6 140.5,143 144.5,143 148.5,143 161,143 165,143 172.5,143 176.5,143 180.5,143 184.5,143 188.5,143 142.5,145 146.5,145 163,145 167,145 170.5,145 174.5,145 178.5,145 182.5,145 186.5,145 190.5,145 150.714,145.6 151.364,145.6 158.464,145.6 159.114,145.6 140.5,147 144.5,147 148.5,147 161,147 165,147 172.5,147 176.5,147 180.5,147 184.5,147 188.5,147 150.714,147.6 151.364,147.6 158.464,147.6 159.114,147.6 146.5,149 150.5,149 163,149 167,149 174.5,149 178.5,149 182.5,149 186.5,149 190.5,149 140.5,151 148.5,151 161,151 165,151 169,151 172.5,151 176.5,151 180.5,151 184.5,151 188.5,151 142.5,153 146.5,153 150.5,153 159,153 163,153 167,153 174.5,153 178.5,153 182.5,153 190.5,153 140.5,155 144.5,155 148.5,155 161,155 165,155 172.5,155 176.5,155 180.5,155 184.5,155 142.5,157 146.5,157 150.5,157 163,157 167,157 174.5,157 178.5,157 182.5,157 190.5,157 181.5,158.7 140.5,159 144.5,159 148.5,159 161,159 165,159 169,159 172.5,159 176.5,159 188.5,159 181.5,159.5 142.5,161 146.5,161 150.5,161 163,161 167,161 171,161 174.5,161 190.5,161 181.5,161.3 140.5,163 144.5,163 148.5,163 161,163 165,163 176,163 188.5,163 170.5,163.7 181.5,163.7 170.5,164.5 181.5,164.5 150.714,164.584 151.364,164.584 142.5,165 146.5,165 163,165 190.5,165 150.714,165.584 151.364,165.584 158.464,165.584 159.114,165.584 170.5,166.3 181.5,166.3 140.5,167 144.5,167 148.5,167 165,167 176,167 188.5,167 170.5,168.7 181.5,168.7 142.5,169 146.5,169 190.5,169 170.5,169.5 181.5,169.5 154.9,169.85 165,170 154.9,170.55 140.5,171 144.5,171 148.5,171 176,171 188.5,171 154.9,171.25 170.5,171.3 181.5,171.3 146.5,173 150.5,173 154.5,173 158.5,173 162.5,173 166.5,173 170.5,173 174.5,173 178.5,173 182.5,173 186.5,173 190.5,173 142.71,173.63 141.225,174.245 144.195,174.245 148.5,175 152.5,175 156.5,175 160.5,175 168.5,175 172.5,175 176.5,175 180.5,175 184.5,175 188.5,175 140.61,175.73 144.81,175.73 146.5,177 150.5,177 154.5,177 158.5,177 162.5,177 170.5,177 174.5,177 178.5,177 182.5,177 186.5,177 190.5,177 141.225,177.215 144.195,177.215 142.71,177.83 144.5,178.5 148.5,178.5 152.5,178.5 156.5,178.5 160.5,178.5 164.5,178.5 168.5,178.5 172.5,178.5 174.5,179 176.5,179 180.5,179 184.5,179 188.5,179 176.5,181 178.5,181 182.5,181 186.5,181 190.5,181 178.5,183 180.5,183 184.5,183 188.43,183.79 186.945,184.405 189.915,184.405 180.5,185 182.5,185 186.33,185.89 190.53,185.89 182.5,187 184.5,187 186.945,187.375 189.915,187.375 188.43,187.99